# KiCad board VNA.kicad_pcb (continued)
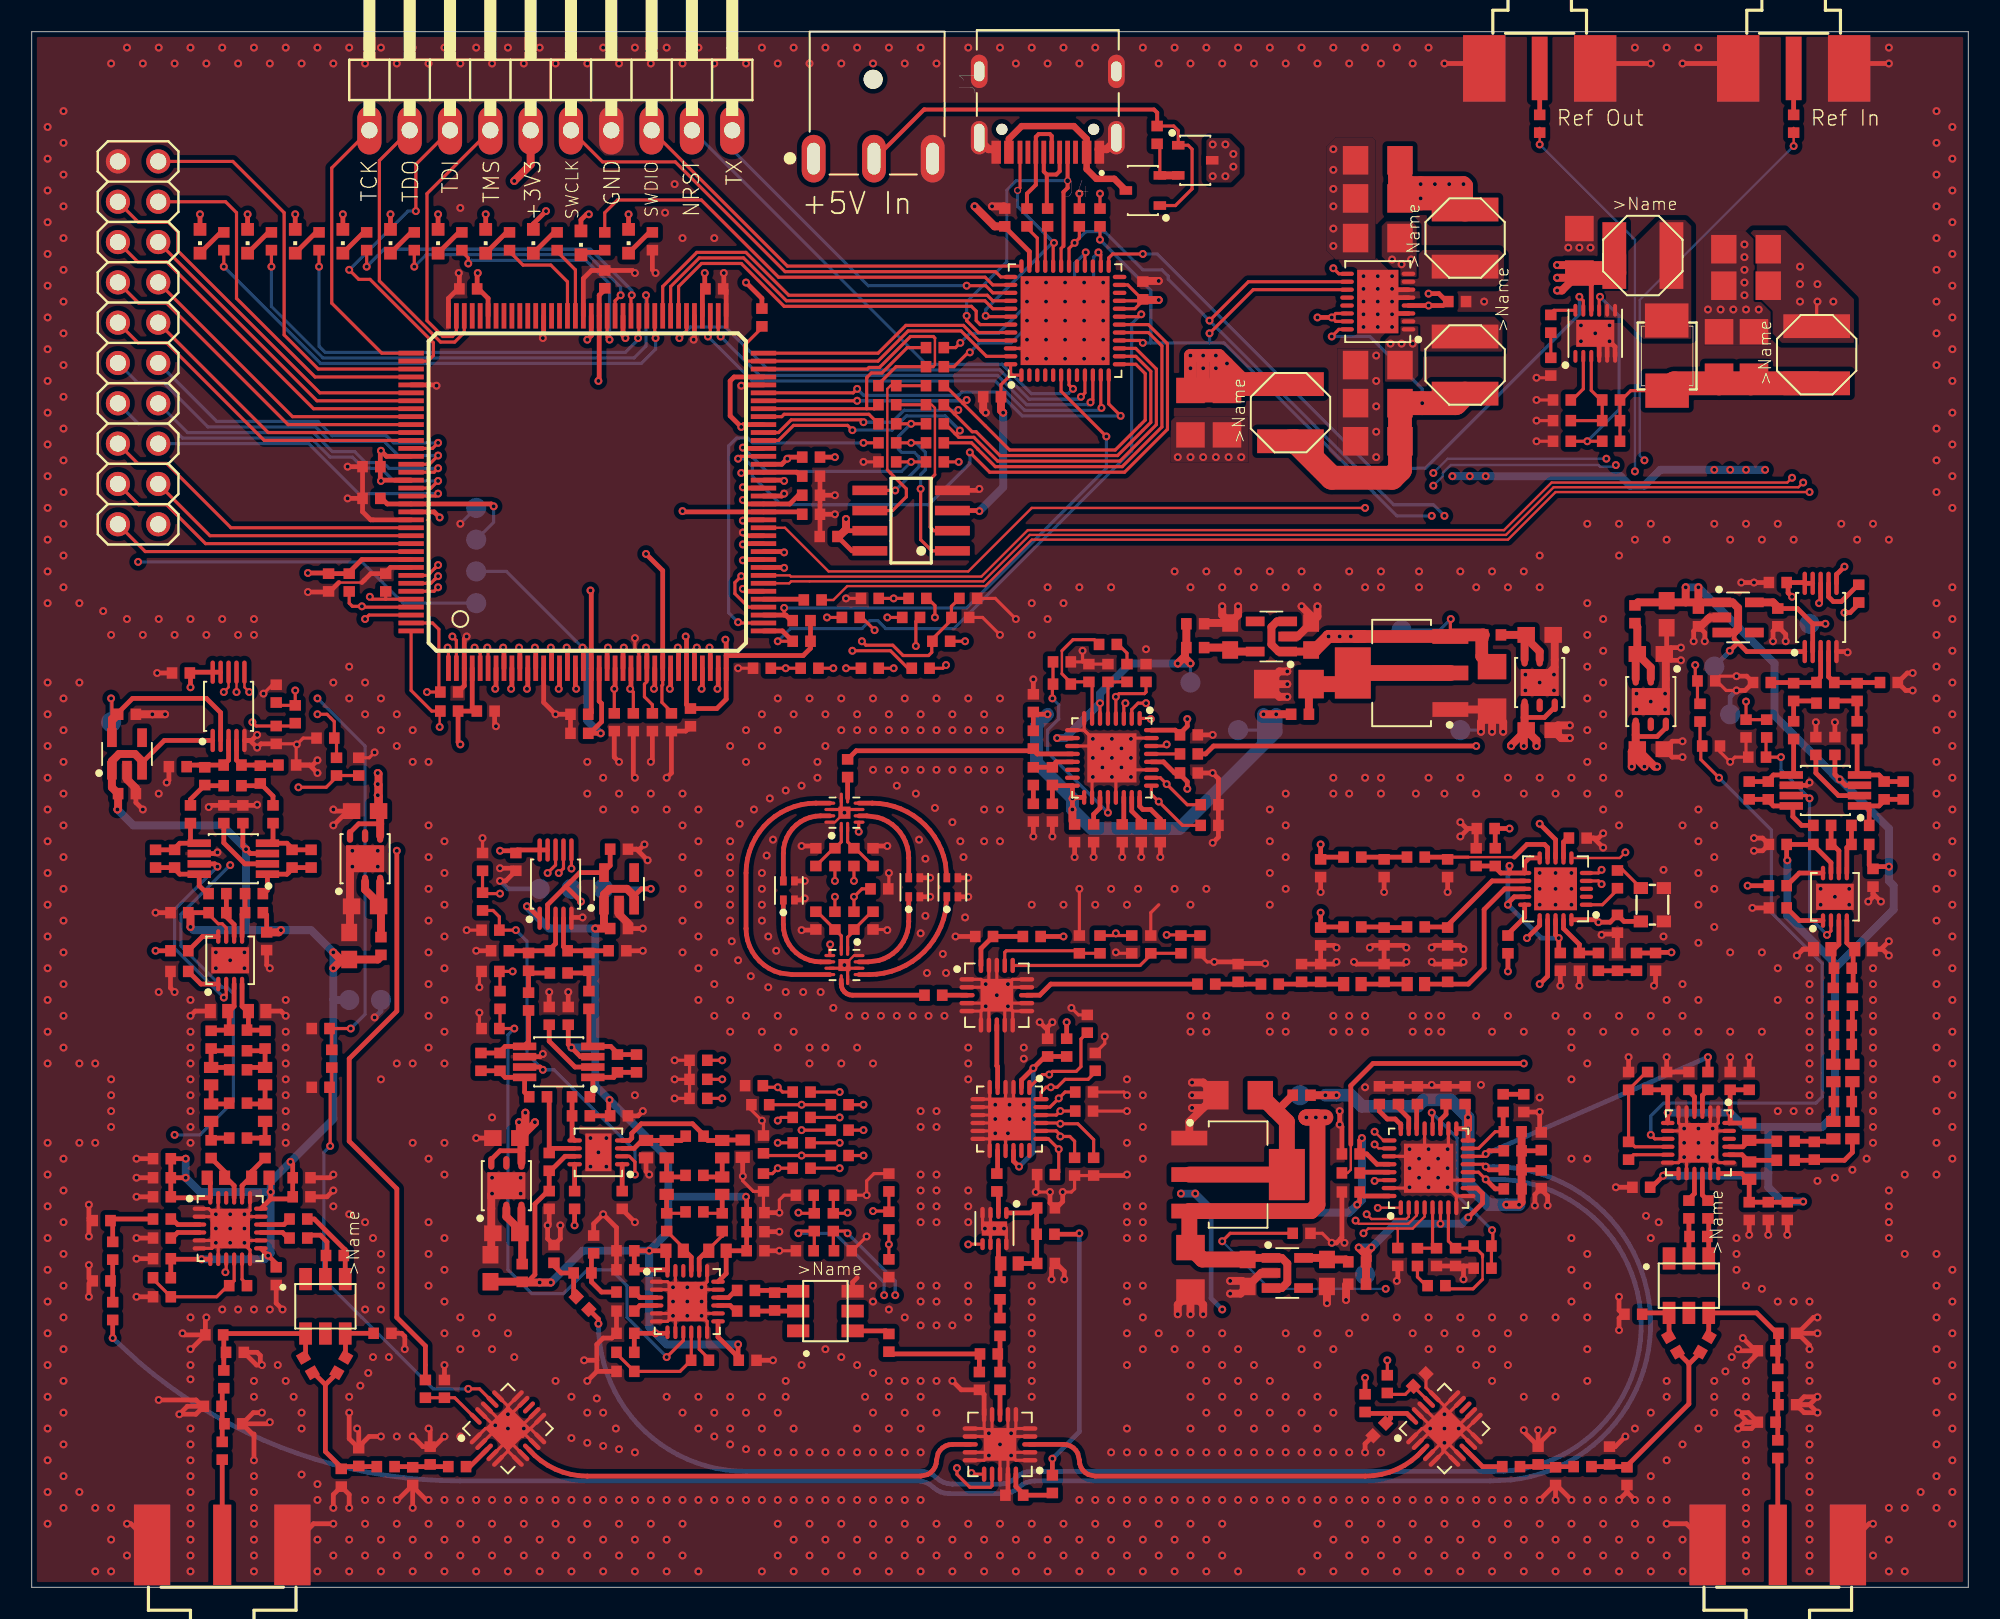
[diagram p0: board, top side]
## Routing (per net, layer and track width the routed paths; a pad name or vN(x,y) marks a point on that pad's centre or on a via; arc(x,y) is an arc through that point) (continued)
Net-(JP2-Pad8): length 24.1
  1_top w0.2: U2.P126 25.15,69.25 v1(25.6,69.7)
  4_bot w0.2: v1(25.6,69.7) 22.8,69.7 22,70.5 20.9,70.5 20.2,71.2 18.79,71.2 17.59,72.4 9.5,72.4 8.6,73.3 6.72,73.3 JP2.8
Net-(JP2-Pad9): length 21.6
  1_top w0.2: U2.P121 25.25,71.75 v1(25.6,72.1)
  4_bot w0.2: v1(25.6,72.1) 22.79,72.1 22.34,72.55 18.93,72.55 18.03,73.45 11.65,73.45 JP2.9
Net-(JP2-Pad10): length 24.5
  1_top w0.2: U2.P123 25.05,70.75 v1(25.6,71.3)
  4_bot w0.2: JP2.10 6.66,75.9 8.3,75.9 11.1,73.1 17.88,73.1 18.78,72.2 22.2,72.2 23.1,71.3 v1(25.6,71.3)
Net-(JP2-Pad11): length 18.8
  1_top w0.2: U2.P119 14.89,72.75 JP2.11
Net-(JP2-Pad12): length 21.5
  1_top w0.2: U2.P120 14.65,72.25 8.5,78.4 6.7,78.4 JP2.12
Net-(JP2-Pad13): length 19.4
  1_top w0.2: U2.P117 16.43,73.75 JP2.13
Net-(JP2-Pad14): length 22.2
  1_top w0.2: U2.P118 16.15,73.25 8.5,80.9 6.74,80.9 JP2.14
Net-(JP2-Pad15): length 20.1
  1_top w0.2: U2.P115 17.97,74.75 JP2.15
Net-(JP2-Pad16): length 22.8
  1_top w0.2: U2.P116 17.75,74.25 8.5,83.5 6.68,83.5 JP2.16
Net-(JP2-Pad17): length 23.7
  1_top w0.2: JP2.17 12.21,87.29 12.9,86.6 12.9,81.2 17.85,76.25 U2.P112
Net-(JP2-Pad18): length 24.2
  1_top w0.2: U2.P114 18.15,75.25 9.2,84.2 9.2,85.4 8.6,86 6.72,86 JP2.18
Net-(JP2-Pad19): length 25.9
  1_top w0.2: U2.P111 18.05,76.75 15.9,78.9 15.9,86.6 12.67,89.83 JP2.19
Net-(LED1-PadC): length 1.6
  1_top w0.3: LED1.C 34.75,84.1 35.96,84.1 R120.1
Net-(LED2-PadC): length 2
  1_top w0.3: LED2.C 38.91,85.36 R134.1
Net-(LED3-PadC): length 2.1
  1_top w0.3: LED3.C 33,85.45 33.01,85.45 R135.1
Net-(LED4-PadC): length 2.1
  1_top w0.3: LED4.C 30,85.45 30.01,85.45 R136.1
Net-(LED5-PadC): length 2.1
  1_top w0.3: LED5.C 27,85.45 27.01,85.45 R137.1
Net-(LED6-PadC): length 2.1
  1_top w0.3: LED6.C 24,85.45 24.01,85.45 R138.1
Net-(LED7-PadC): length 2.1
  1_top w0.3: LED7.C 21,85.45 21.09,85.36 R139.1
Net-(LED8-PadC): length 2.1
  1_top w0.3: LED8.C 18,85.45 18.01,85.45 R140.1
Net-(LED9-PadC): length 2.1
  1_top w0.3: LED9.C 15,85.45 15.01,85.45 R141.1
Net-(LED10-PadC): length 2.1
  1_top w0.3: LED10.C 12,85.45 12.01,85.45 R142.1
Net-(Q1-Pad2): length 3.2
  1_top w0.2: R125.2 71.07,90.77 Q1.2
  1_top w0.5: Q1.2 Q2.2
Net-(R26-Pad2): length 2.5
  1_top w0.3: R26.2 61,14.6 ; 61,14.6 R29.1 ; 61,14.6 60.9,14.7 R27.2
Net-(R42-Pad1): length 10.2
  1_top w0.3: 18.5,12.76 18.5,8.55 19.5,7.55 R43.2 19.64,7.6 20.6,7.6 ; 18.5,12.76 17.83,13.44 17.76,13.44 R45.2 ; 18.5,12.76 19.22,13.48 R46.2 ; R42.1 21.74,7.6 20.6,7.6 ; 20.6,7.6 R44.1
Net-(R45-Pad1): length 9.2
  1_top w0.3: R49.2 12.1,14.8 ; 12.1,14.8 12.1,15.9 R52.2 12.15,15.99 T1.6 17.25,14.61 R45.1 ; 12.1,14.8 R48.1
Net-(R46-Pad1): length 3.3
  1_top w0.3: R50.1 19.77,16 ; 19.77,16 T1.4 ; 19.77,16 19.77,14.5 R46.1
Net-(R69-Pad1): length 12.7
  1_top w0.3: R69.1 99.4,7.6 ; 104.4,14.06 104.4,11.55 100.5,7.65 ; 104.4,14.06 105.12,14.78 R72.2 ; 104.4,14.06 104.4,14.1 R73.2 ; 100.5,7.65 R70.2 ; 100.5,7.65 R70.2 ; R70.2 100.46,7.6 99.4,7.6 ; 99.4,7.6 R71.1
Net-(R72-Pad1): length 8.8
  1_top w0.3: 110,15.95 110,14.9 ; 110,15.95 108.67,17.28 T2.4 105.65,15.81 R72.1 ; 110,15.95 110.04,15.99 R75.1 ; 110,14.9 R77.2 ; 110,14.9 R79.2
Net-(R73-Pad1): length 3.2
  1_top w0.3: R76.1 101.55,17.2 101.64,17.28 T2.6 103.15,15.81 R73.1
Net-(R104-Pad2): length 12.6
  1_top w0.15: 53.9,70.4 53.9,75.5 54.1,75.7 54.6,75.7
  1_top w0.2: U1.6 54.23,67.84 55.1,68.7 55.1,69.2 54.1,70.2 54.1,70.2 53.9,70.4 ; R111.1 R104.2
Net-(R105-Pad2): length 9.6
  1_top w0.2: U1.5 54.39,69.11 v1(54.4,69.1) ; R112.1 v1(55.4,73.3) R105.2
  4_bot w0.2: v1(54.4,69.1) 55.9,70.6 55.9,71.2 55.6,71.5 54.8,71.5 54.6,71.7 54.6,72.5 v1(55.4,73.3)
Net-(R106-Pad2): length 11.6
  1_top w0.15: 56.9,70.1 56.9,74.3 56.7,74.5 R106.2
  1_top w0.2: U1.2 56.83,66.57 56.6,66.8 56.6,69.8 56.9,70.1 ; R106.2 R113.1
Net-(R107-Pad2): length 10.9
  1_top w0.2: R107.2 v1(55.4,72.1) R114.1 ; U1.1 56.7,65.3 56,66 v1(56,69.2)
  4_bot w0.2: v1(56,69.2) 56,70.1 56.3,70.4 56.3,71.5 55.7,72.1 v1(55.4,72.1)
Net-(R123-Pad2): length 79.1
  1_top w0.15: U2.P43 47.72,63.25 47.84,63.38 59.95,63.38 62.88,66.3 92.88,66.3 95.88,69.3 111.3,69.3 v1(111.6,69.6)
  1_top w0.3: v1(114.2,61.4) 114.55,61.4 115.1,61.95 R123.2
  3_pwr w0.15: v1(111.6,69.6) 112.1,69.6 112.48,69.23 112.48,68.58 112.3,68.4 112.3,63.3 v1(114.2,61.4)
Net-(R124-Pad2): length 2.6
  1_top w0.3: R124.2 48.59,62.25 U2.P41
Net-(R126-Pad2): length 74.8
  1_top w0.15: U2.P50 47.45,66.75 50.2,64 59,64 63,68 v1(84,68)
  1_top w0.3: R126.2 v1(93,38.8)
  3_pwr w0.3: v1(84,68) 86.5,65.5 86.5,45.3 v1(93,38.8)
Net-(R135-Pad2): length 4.6
  1_top w0.2: U2.P92 34.25,83 33.1,84.15 R135.2
Net-(R136-Pad2): length 6.7
  1_top w0.2: U2.P93 33.75,82.25 32.7,83.3 30.95,83.3 30.1,84.15 R136.2
Net-(R137-Pad2): length 15.7
  1_top w0.2: U2.P88 36.25,78.75 v1(36.4,78.6) ; v1(27.5,83.4) 27.5,83.75 27.1,84.15 R137.2
  4_bot w0.2: v1(27.5,83.4) 27.7,83.6 34.91,83.6 36.4,82.11 v1(36.4,78.6)
Net-(R138-Pad2): length 17.1
  1_top w0.2: U2.P87 36.75,81.05 v1(37.1,81.4) ; R138.2 v1(24.1,83.2)
  4_bot w0.2: v1(24.1,83.2) 24.85,83.95 35.06,83.95 37.1,81.91 v1(37.1,81.4)
Net-(R139-Pad2): length 20.9
  1_top w0.2: U2.P85 37.75,81.35 v1(37.8,81.4) ; R139.2 v1(21.1,83.2)
  4_bot w0.2: v1(21.1,83.2) 22.2,84.3 35.2,84.3 37.8,81.7 v1(37.8,81.4)
Net-(R140-Pad2): length 28.2
  1_top w0.2: U2.P84 38.25,78.75 v1(38.2,78.7) ; R140.2 v1(18.1,83.2)
  4_bot w0.2: v1(18.1,83.2) 18.1,78.19 18.49,77.8 37.4,77.8 38.2,78.6 v1(38.2,78.7)
Net-(R141-Pad2): length 33.3
  1_top w0.2: U2.P83 38.75,81.35 v1(38.7,81.4) ; R141.2 v1(15.1,83.2)
  4_bot w0.2: v1(15.1,83.2) 15.1,80.69 18.34,77.45 37.95,77.45 38.7,78.2 v1(38.7,81.4)
Net-(R142-Pad2): length 33.3
  1_top w0.2: U2.P82 39.25,78.75 v1(39.3,78.7) ; R142.2 v1(12.1,83.2)
  4_bot w0.2: v1(39.3,78.7) 39.3,78 38.4,77.1 18.2,77.1 v1(12.1,83.2)

## Copper pours and planes (outline as drawn; the poured copper is in the pictures)
+3V3 on 3_pwr: 123.51,28.14 -1,28.1 -1,98.9 123.4,98.9
+5V on 1_top: 76.1,90.64 76.1,89.06 75.54,88.5 74.16,88.5 74,88.66 74,91.14 74.16,91.3 75.44,91.3
+5V on 1_top: 87.35,76.34 86.96,75.95 85.25,75.95 85.25,78.56 86.14,79.45 87.35,79.45
+5V on 1_top: 87.25,85.76 87.25,82.55 86.34,82.55 85.05,83.84 85.05,85.76 85.34,86.05 86.96,86.05
+5V on 4_bot: 78.74,88 92.34,88 96.8,83.54 96.8,80.96 93.54,77.7 85.36,77.7 84.16,78.9 78.26,78.9 69.26,87.9 48.16,87.9 46.9,89.16 46.9,91.34 50.06,94.5 72.24,94.5
GND on 1_top: 84.65,91.16 84.65,83.65 82.14,83.65 81.55,84.24 81.55,90.76 82.14,91.35 84.46,91.35
GND on 1_top: 108.55,84.86 108.55,81.36 109.55,80.36 109.55,78.25 105.35,78.25 105.35,85.06 105.74,85.45 107.96,85.45
GND on 1_top: 85.15,77.86 85.15,71.04 84.86,70.75 82.84,70.75 82.25,71.34 82.25,78.05 84.96,78.05
GND on 1_top: 76.65,70.85 71.75,70.85 71.75,73.46 72.04,73.75 76.65,73.75
GND on 1_top: 125.15,-1.15 -1.15,-1.15 -1.15,100.35 125.15,100.35
GND on 4_bot: 127.75,-1.85 -4.25,-1.85 -4.25,100.65 127.75,100.65
GND on 2_gnd: 126.85,-3.05 -3.95,-3.05 -3.95,102.75 126.85,102.75
GND on 3_pwr: 124.58,-0.39 -2.8,-0.6 -2.8,41.1 124.58,41.31
VCCINT on 3_pwr: 90.45,82.25 50.96,82.25 41.65,72.94 41.65,67.54 36.36,62.25 34.34,62.25 28.55,68.04 28.55,69.06 36.14,76.65 40.34,76.65 50.04,86.35 86.35,86.35 86.35,88.95 90.45,88.95
(no net) on 2_gnd: 109.5,4.9 110.5,4.9 110.5,0 109.5,0
(no net) on 2_gnd: 11.5,4.9 12.5,4.9 12.5,0.5 11.5,0.5
Net-(C16-Pad1) on 1_top: 114.8,81.14 114.8,78.4 110.26,78.4 108,80.66 108,85.04 108.46,85.5 110.44,85.5
Net-(C16-Pad1) on 3_pwr: 122.1,70.6 110.36,70.6 109.76,71.2 101.2,71.2 101.2,70.14 106.6,64.74 106.6,53.46 103.74,50.6 93.96,50.6 92.4,52.16 92.31,91.91 7.95,91.91 7.2,91.06 7.2,56.94 11.54,52.6 22.04,52.6 22.6,52.04 22.6,45.74 31.1,37.24 31.1,33.54 33.7,30.94 33.7,29.36 31.74,27.4 22.76,27.4 17.2,32.96 17.2,36.96 16.06,38.1 9.96,38.1 7.71,40.25 -0.15,40.25 -0.1,98.1 122.1,98.1
Net-(D1-PadA) on 1_top: 104.55,85.76 104.55,78.65 101.54,78.65 100.24,79.95 99.05,79.95 99.05,82.66 102.54,86.15 104.16,86.15
Net-(IC2-Pad2) on 1_top: 92.65,79.56 92.65,77.85 87.44,77.85 86.15,79.14 86.15,80.05 92.16,80.05
Net-(IC2-Pad7) on 1_top: 92.75,83.96 92.75,82.44 92.26,81.95 86.15,81.95 86.15,82.76 87.64,84.25 92.46,84.25

Small or netless copper shapes (teardrops, artwork), in the pictures only: 114 on 2_gnd

## Text on the board
B.SilkS: +5V | GND | +1V8 | TCK | TDO | TDI | TMS | +3V3 | SWCLK | SWDIO | NRST | TX | +6V | Port 1 | Port 2 | Ref Out | Ref In
F.SilkS: SWCLK | SWDIO | Ref Out | Ref In | TCK | TDO | TDI | TMS | +3V3 | GND | NRST | TX | +5V In
